# KiCad board mackerel-10-v1.kicad_pcb (continued)
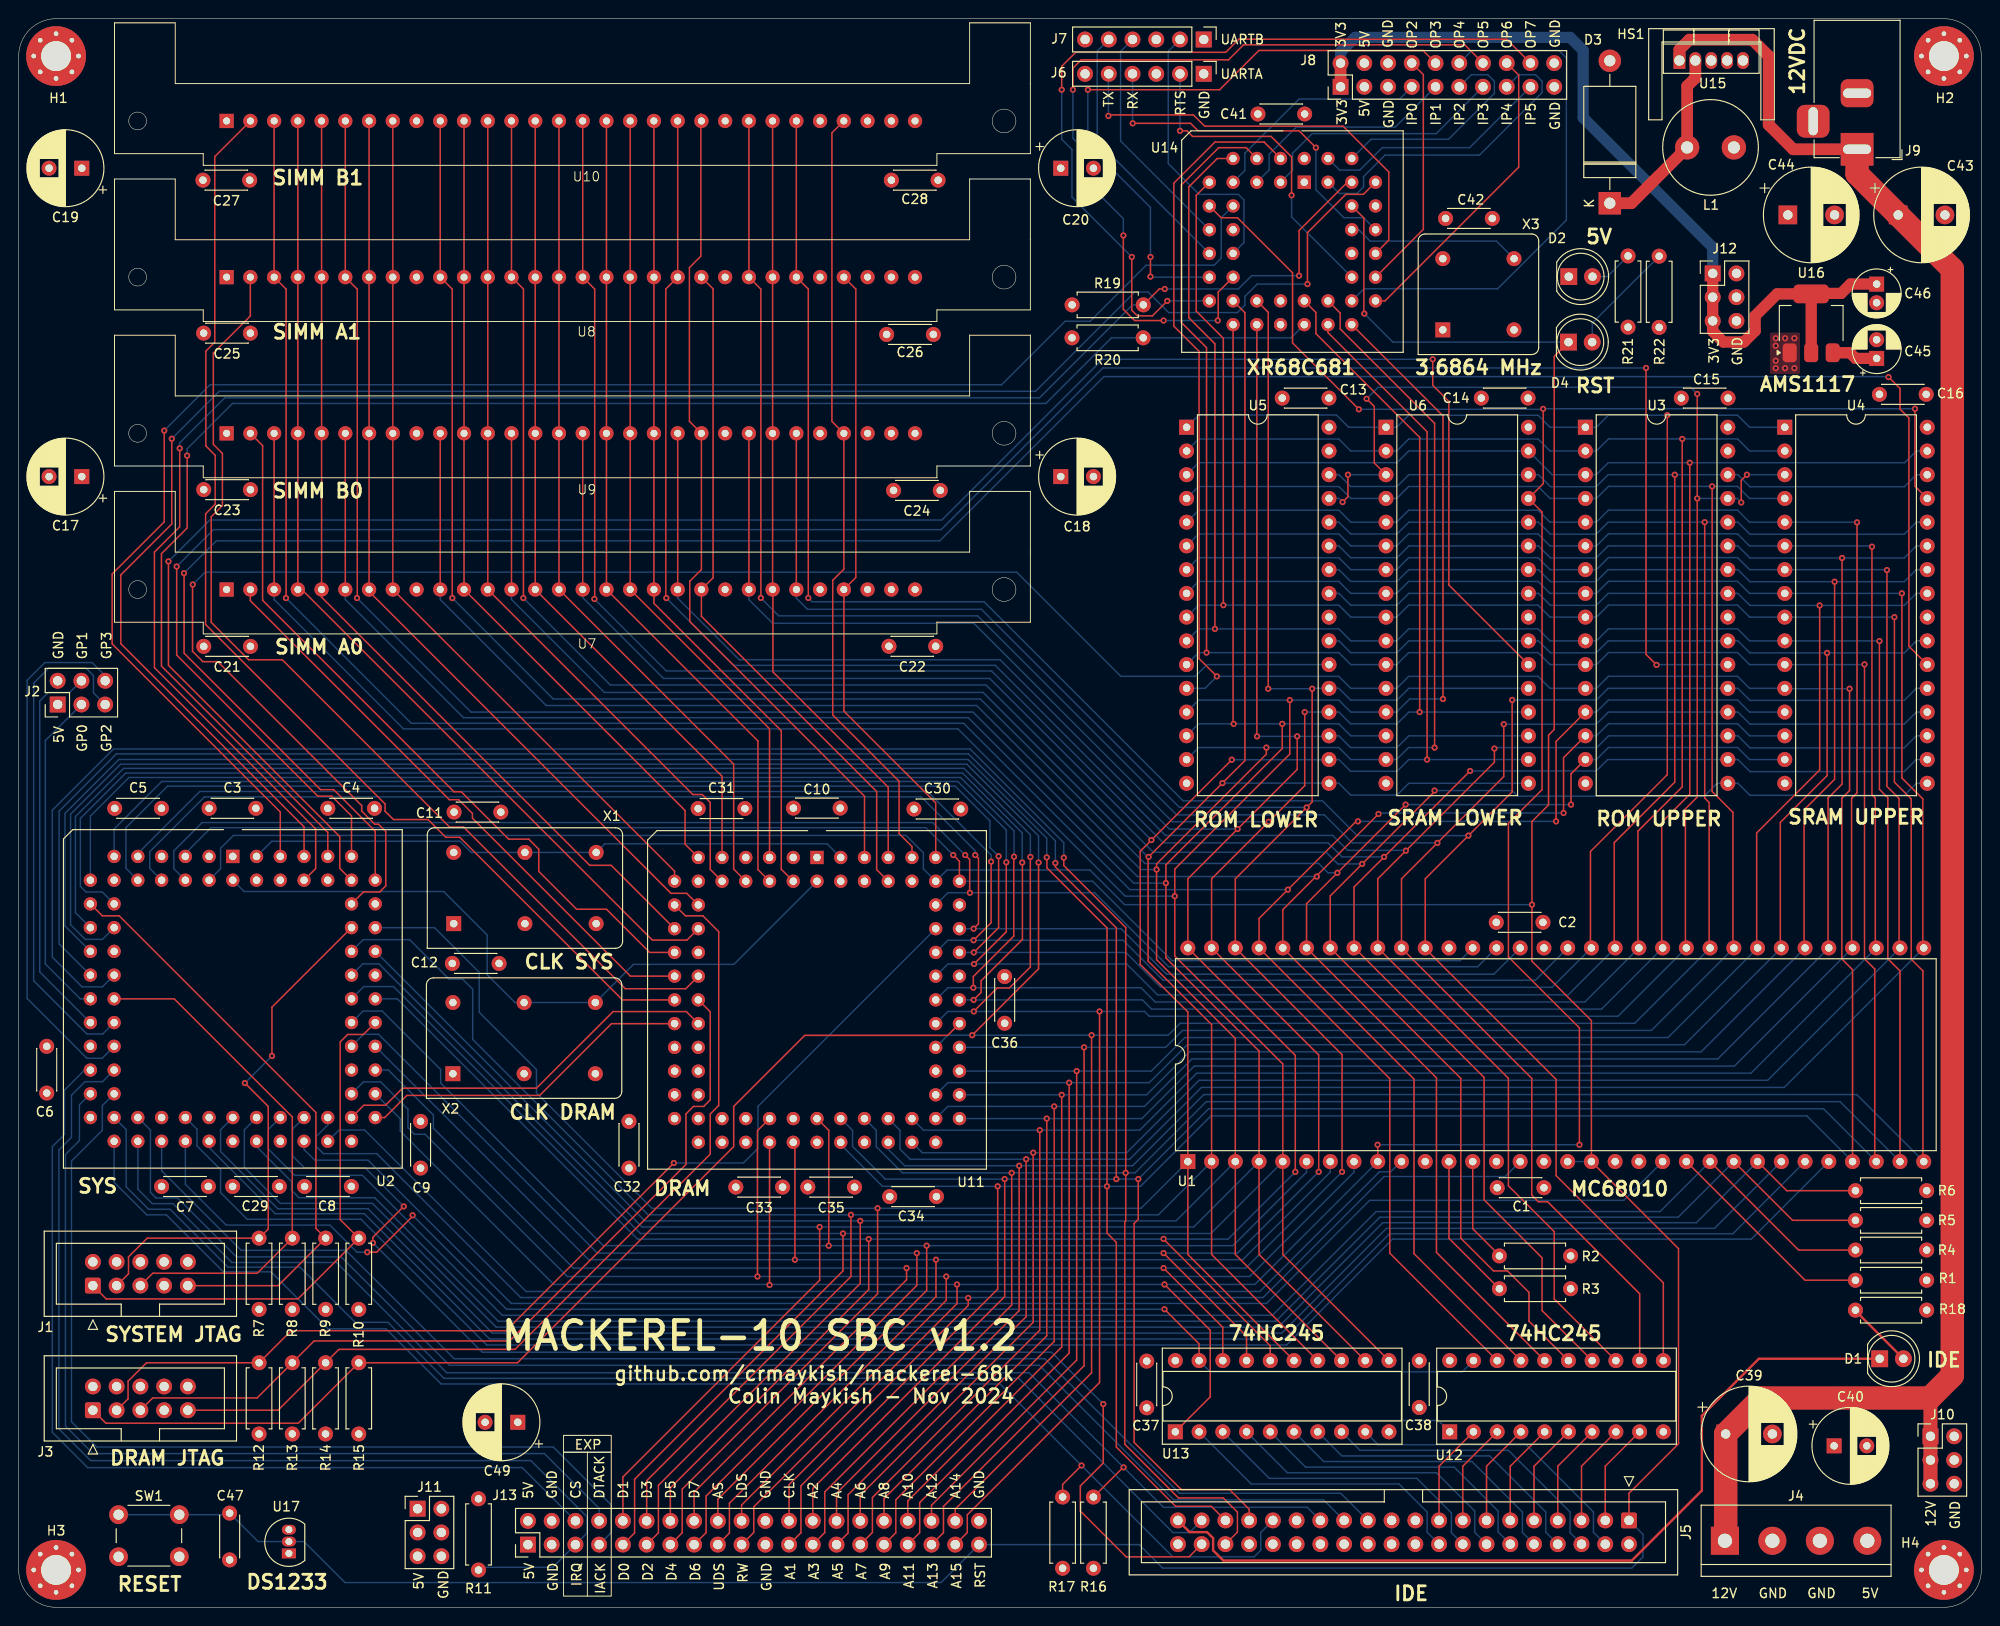
[diagram p0: board, top side]
## Footprints (pads in the part's own frame, mm; a bottom-side part is the same pattern mirrored in y, then rotated) (continued)
SOT-223-3_TabPin2
  rrect 2x1.5 smd: 1(-3.15,2.3) 2(-3.15,0) 3(-3.15,-2.3)
  rrect 2x3.8 smd: 2(3.15,0)
SW_PUSH_6mm_H5mm
  round 2 hole 1.1: 1(0,0) 1(6.5,0) 2(0,-4.5) 2(6.5,-4.5)
TerminalBlock_bornier-4_P5.08mm
  rect 3x3 hole 1.52: 1(0,0)
  round 3 hole 1.52: 2(5.08,0) 3(10.16,0) 4(15.24,0)
TO-92L_Inline
  rect 1.05x1.5 hole 0.75: 1(0,0)
  oval 1.05x1.5 hole 0.75: 2(1.27,0) 3(2.54,0)
TO-220-5_Vertical
  rect 1.275x1.8 hole 1.1: 1(0,0)
  oval 1.275x1.8 hole 1.1: 2(1.7,0) 3(3.4,0) 4(5.1,0) 5(6.8,0)

## Nets
+3.3V: C46.1 J8.1 J8.2 J12.1 J12.3 J12.5 U16.2
+5V: C1.1 C2.1 C3.1 C4.1 C5.1 C6.1 C7.2 C8.2 C9.2 C10.2 C11.2 C12.2 C13.1 C14.1 C15.1 C16.1 C17.1 C18.1 C19.1 C20.1 C21.1 C22.1 C23.1 C24.1 C25.2 C26.2 C27.2 C28.2 C29.1 C30.1 C31.1 C32.1 C33.2 C34.2 C35.2 C36.2 C37.1 C38.1 C40.1 C41.1 C42.1 C44.1 C45.1 C49.1 J1.4 J2.1 J3.4 J4.4 J8.3 J8.4 J11.1 J11.3 J11.5 J13.1 J13.2 L1.2 R1.1 R2.1 R3.1 R4.1 R5.1 R6.1 R7.1 R8.1 R9.1 R11.2 R12.1 R13.1 R14.1 R18.1 R19.2 R20.2 R21.1 R22.1 U1.14 U1.49 U2.3 U2.13 U2.26 U2.38 U2.43 U2.53 U2.66 U2.78 U3.31 U3.32 U4.32 U5.31 U5.32 U6.32 U7.1 U7.30 U8.1 U8.30 U9.1 U9.30 U10.1 U10.30 U11.3 U11.13 U11.26 U11.38 U11.43 U11.53 U11.66 U11.78 U12.20 U13.20 U14.44 U15.4 U16.3 U17.3 X1.14 X2.14 X3.8
+12V: C39.1 C43.1 J4.1 J9.1 J10.1 J10.3 J10.5 U15.1
GND: C1.2 C2.2 C3.2 C4.2 C5.2 C6.2 C7.1 C8.1 C9.1 C10.1 C11.1 C12.1 C13.2 C14.2 C15.2 C16.2 C17.2 C18.2 C19.2 C20.2 C21.2 C22.2 C23.2 C24.2 C25.1 C26.1 C27.1 C28.1 C29.2 C30.2 C31.2 C32.2 C33.1 C34.1 C35.1 C36.1 C37.2 C38.2 C39.2 C40.2 C41.2 C42.2 C43.2 C44.2 C45.2 C46.2 C47.2 C49.2 D2.1 D3.2 H1.1 H2.1 H3.1 H4.1 J1.2 J1.10 J2.2 J3.2 J3.10 J4.2 J4.3 J5.2 J5.19 J5.22 J5.24 J5.26 J5.30 J5.40 J6.1 J7.1 J8.5 J8.6 J8.19 J8.20 J9.2 J10.2 J10.4 J10.6 J11.2 J11.4 J11.6 J12.2 J12.4 J12.6 J13.3 J13.4 J13.21 J13.22 J13.40 R10.2 R15.2 R16.1 R17.1 SW1.2 U1.16 U1.53 U2.1 U2.7 U2.19 U2.32 U2.42 U2.47 U2.59 U2.72 U2.82 U2.84 U3.16 U3.24 U4.16 U4.24 U5.16 U5.24 U6.16 U6.24 U7.9 U7.22 U8.9 U8.22 U9.9 U9.22 U10.9 U10.22 U11.1 U11.7 U11.19 U11.32 U11.42 U11.47 U11.59 U11.72 U11.82 U11.84 U12.10 U13.10 U14.22 U15.3 U15.5 U16.1 U17.1 X1.7 X2.7 X3.4
/AS: J13.18 U1.6 U2.63 U11.44
/CS_DRAM: U2.54 U11.24
/DTACK: U1.10 U2.51
/DTACK_DRAM: U2.55 U11.25
/DTACK_DUART: U2.81 U14.10
/DTACK_EXP: J13.8 U2.30
/DUART: U2.79 U14.39
/EXP: J13.6 U2.28
/IACK_DUART: R19.1 U2.80 U14.41
/IACK_EXP: J13.7 U2.31
/IDE_BUF: U2.39 U12.19 U13.19
/IDE_CS0: J5.37 U2.34
/IDE_CS1: J5.38 U2.50
/IDE_RD: J5.25 U2.36
/IDE_WR: J5.23 U2.37
/IPL0: R6.2 U1.25 U2.46
/IPL1: R5.2 U1.24 U2.45
/IPL2: R4.2 U1.23 U2.48
/IRQ_DUART: R20.1 U2.77 U14.24
/IRQ_EXP: J13.5 R11.1 U2.29
/LDS: J13.20 U1.8 U2.57 U11.40
/RESET: C47.1 D4.1 J5.1 J13.39 SW1.1 U1.17 U1.18 U2.4 U11.76 U14.38 U17.2
/ROM_LOWER: U2.73 U5.22
/ROM_UPPER: U2.75 U3.22
/RTSA: J6.2 U14.32
/RTSB: J7.2 U14.14
/SRAM_LOWER: U2.76 U6.22
/SRAM_UPPER: U2.74 U4.22
/UDS: J13.17 U1.7 U2.60 U11.41
/VPA: U1.21 U2.49
A1: J5.35 J13.23 U1.29 U2.18 U3.12 U4.12 U5.12 U6.12 U11.45 U14.2
A2: J5.33 J13.26 U1.30 U2.20 U3.11 U4.11 U5.11 U6.11 U11.46 U14.4
A3: J5.36 J13.25 U1.31 U2.21 U3.10 U4.10 U5.10 U6.10 U11.48 U14.6
A4: J13.28 U1.32 U3.9 U4.9 U5.9 U6.9 U11.49 U14.7
A5: J13.27 U1.33 U3.8 U4.8 U5.8 U6.8 U11.50
A6: J13.30 U1.34 U3.7 U4.7 U5.7 U6.7 U11.51
A7: J13.29 U1.35 U3.6 U4.6 U5.6 U6.6 U11.52
A8: J13.32 U1.36 U3.5 U4.5 U5.5 U6.5 U11.54
A9: J13.31 U1.37 U3.27 U4.27 U5.27 U6.27 U11.55
A10: J13.34 U1.38 U3.26 U4.26 U5.26 U6.26 U11.56
A11: J13.33 U1.39 U3.23 U4.23 U5.23 U6.23 U11.57
A12: J13.36 U1.40 U3.25 U4.25 U5.25 U6.25 U11.58
A13: J13.35 U1.41 U3.4 U4.4 U5.4 U6.4 U11.60
A14: J13.38 U1.42 U2.17 U3.28 U4.28 U5.28 U6.28 U11.61
A15: J13.37 U1.43 U2.16 U3.29 U4.3 U5.29 U6.3 U11.63
A16: U1.44 U2.15 U3.3 U4.31 U5.3 U6.31 U11.64
A17: U1.45 U2.12 U3.2 U4.2 U5.2 U6.2 U11.65
A18: U1.46 U2.11 U3.30 U4.30 U5.30 U6.30 U11.67
A19: U1.47 U2.10 U3.1 U4.1 U5.1 U6.1 U11.68
A20: U1.48 U2.9 U11.69
A21: U1.50 U2.8 U11.70
A22: U1.51 U2.6 U11.73
A23: U1.52 U2.5 U11.74
CASA0: U7.2 U11.20
CASA1: U8.2 U11.21
CASB0: U9.2 U11.18
CASB1: U10.2 U11.22
CLK_ALT: U2.2 U11.2 X2.8
CLK_CPU: J13.24 U1.15 U2.52
CLK_SRC: U2.83 U11.83 X1.8
D0: J13.9 U1.5 U2.65 U5.13 U6.13 U7.3 U9.3 U13.11 U14.28
D1: J13.10 U1.4 U2.67 U5.14 U6.14 U7.6 U9.6 U13.12 U14.18
D2: J13.11 U1.3 U2.68 U5.15 U6.15 U7.10 U9.10 U13.13 U14.27
D3: J13.12 U1.2 U2.69 U5.17 U6.17 U7.13 U9.13 U13.14 U14.19
D4: J13.13 U1.1 U2.70 U5.18 U6.18 U7.16 U9.16 U13.15 U14.26
D5: J13.14 U1.64 U2.64 U5.19 U6.19 U7.20 U9.20 U13.16 U14.20
D6: J13.15 U1.63 U2.61 U5.20 U6.20 U7.23 U9.23 U13.17 U14.25
D7: J13.16 U1.62 U2.58 U5.21 U6.21 U7.25 U9.25 U13.18 U14.21
D8: U1.61 U3.13 U4.13 U8.3 U10.3 U12.18
D9: U1.60 U3.14 U4.14 U8.6 U10.6 U12.17
D10: U1.59 U3.15 U4.15 U8.10 U10.10 U12.16
D11: U1.58 U3.17 U4.17 U8.13 U10.13 U12.15
D12: U1.57 U3.18 U4.18 U8.16 U10.16 U12.14
D13: U1.56 U3.19 U4.19 U8.20 U10.20 U12.13
D14: U1.55 U3.20 U4.20 U8.23 U10.23 U12.12
D15: U1.54 U3.21 U4.21 U8.25 U10.25 U12.11
FC0: U1.28 U2.40
FC1: U1.27 U2.41
FC2: U1.26 U2.44
GP0: J2.3 U2.22
GP1: J2.4 U2.24
GP2: J2.5 U2.25
GP3: J2.6 U2.27
IDE_D0: J5.17 U12.2
IDE_D1: J5.15 U12.3
IDE_D2: J5.13 U12.4
IDE_D3: J5.11 U12.5
IDE_D4: J5.9 U12.6
IDE_D5: J5.7 U12.7
IDE_D6: J5.5 U12.8
IDE_D7: J5.3 U12.9
IDE_D8: J5.4 U13.9
IDE_D9: J5.6 U13.8
IDE_D10: J5.8 U13.7
IDE_D11: J5.10 U13.6
IDE_D12: J5.12 U13.5
IDE_D13: J5.14 U13.4
IDE_D14: J5.16 U13.3
IDE_D15: J5.18 U13.2
IDE_INT: J5.31 R17.2 U2.33
IDE_RDY: J5.27 R16.2 U2.35
IP0: J8.7 U14.8
IP1: J8.9 U14.5
IP2: J8.11 U14.40
IP3: J8.13 U14.3
IP4: J8.15 U14.43
IP5: J8.17 U14.42
OP2: J8.8 U14.31
OP3: J8.10 U14.15
OP4: J8.12 U14.30
OP5: J8.14 U14.16
OP6: J8.16 U14.29
OP7: J8.18 U14.17
R/W: J13.19 U1.9 U2.56 U4.29 U6.29 U11.39 U12.1 U13.1 U14.9
RAM_A0: U7.4 U8.4 U9.4 U10.4 U11.17
RAM_A1: U7.5 U8.5 U9.5 U10.5 U11.16
RAM_A2: U7.7 U8.7 U9.7 U10.7 U11.15
RAM_A3: U7.8 U8.8 U9.8 U10.8 U11.12
RAM_A4: U7.11 U8.11 U9.11 U10.11 U11.11
RAM_A5: U7.12 U8.12 U9.12 U10.12 U11.10
RAM_A6: U7.14 U8.14 U9.14 U10.14 U11.9
RAM_A7: U7.15 U8.15 U9.15 U10.15 U11.8
RAM_A8: U7.17 U8.17 U9.17 U10.17 U11.6
RAM_A9: U7.18 U8.18 U9.18 U10.18 U11.5
RAM_A10: U7.19 U8.19 U9.19 U10.19 U11.4
RAM_A11: U7.24 U8.24 U9.24 U10.24 U11.79
RAMWRA: U7.21 U8.21 U11.80
RAMWRB: U9.21 U10.21 U11.81
RASA: U7.27 U8.27 U11.75
RASB: U9.27 U10.27 U11.77
RXA: J6.4 U14.35
RXB: J7.4 U14.11
TCK: J1.1 R10.1 U2.62
TCK_DRAM: J3.1 R15.1 U11.62
TDI: J1.9 R9.2 U2.14
TDI_DRAM: J3.9 R14.2 U11.14
TDO: J1.3 R7.2 U2.71
TDO_DRAM: J3.3 R12.2 U11.71
TMS: J1.5 R8.2 U2.23
TMS_DRAM: J3.5 R13.2 U11.23
TXA: J6.5 U14.33
TXB: J7.5 U14.13
Net-(D1-A): D1.2 R18.2
Net-(D1-K): D1.1 J5.39
Net-(D2-A): D2.2 R21.2
Net-(D3-K): D3.1 L1.1 U15.2
Net-(D4-A): D4.2 R22.2
Net-(U1-BERR): R1.2 U1.22
Net-(U1-BGACK): R3.2 U1.12
Net-(U1-BR): R2.2 U1.13
Net-(U14-X1/CLK): U14.36 X3.5

Pads without a net: J1 6 7 8; J3 6 7 8; J5 20 21 28 29 32 34; J6 3 6; J7 3 6; J9 3; U1 11 19 20; U7 26 28 29; U8 26 28 29; U9 26 28 29; U10 26 28 29; U11 27 28 29 30 31 33 34 35 36 37; U14 1 12 23 34 37; X1 1; X2 1; X3 1

## Via types
v1: diameter 0.66, hole 0.33, Top to Bottom, 200 vias

## Routing (per net, layer and track width the routed paths; a pad name or vN(x,y) marks a point on that pad's centre or on a via; arc(x,y) is an arc through that point)
+3.3V: length 94.5
  Top w1.2: U16.2 188.15,140.55 185.8,138.2 185.8,136.6 184.6,135.4 182.4,135.4 181.26,136.54 J12.5 J12.1 ; U16.2 U16.2 ; U16.2 191.85,140.6 195,140.6 196,141.6 C46.1
  Top w1.25: J8.1 J8.2
  Bottom w1.2: J12.1 181.26,145.54 167.4,159.4 167.4,166.6 166,168 143,168 141.44,166.44 J8.2
+5V: length 10.6
  Top w1.2: C45.1 196.56,133.64 195.95,134.25 U16.3
  In2.Cu w0.152: 163.2,73.2 C2.1 ; 158.12,44.98 C1.1
  In2.Cu w0.5: U1.14 158.12,44.98 ; U1.49 163.2,73.2
+12V: length 212.7
  Top w1.25: J9.1 189.88,156.03 187.25,158.65 187.25,166 185.5,167.75 178.75,167.75 177.7,166.7 U15.1
  Top w1.5: 204.5,22.4 204.56,22.34 J10.5
  Top w2.5: J9.1 196.71,153.39 201.1,149 C43.1 206.9,143.21 206.9,24.8 204.5,22.4 186.5,22.4 C39.1 182.65,7.2 J4.1
GND: length 13.8
  In1.Cu w0.152: U2.1 22.91,80.34
  In1.Cu w0.5: U2.1 U2.84 ; 22.91,80.34 21.52,78.95 ; U1.16 C1.2 ; U11.84 U11.1 85.42,80.22 84.15,78.95
  vias: v1(188,135.8) v1(188,135) v1(188,133.4) v1(188,132.6) v1(189,135.8) v1(189,132.6) v1(190,135.8) v1(190,132.6)
/AS: length 171.2
  Top w0.152: J13.18 74.81,11.56 97.15,33.9 v1(97.15,38.7) ; v1(86.67,38.7) 86.67,51.04 U11.44
  Bottom w0.152: U2.63 36.84,63.8 38.9,63.8 45.15,57.55 45.15,56.1 62.55,38.7 v1(86.67,38.7) v1(97.15,38.7) 129.93,38.7 137.8,46.57 U1.6
/CS_DRAM: length 36.2
  Top w0.152: U2.54 39.16,52.41 41.52,54.78 55.75,54.78 63.44,62.46 U11.24
/DTACK: length 128.3
  Bottom w0.152: U1.10 147.9,47.7 146.8,46.6 145.6,46.6 132.8,33.8 54.28,33.8 37.01,51.07 34.27,51.07 U2.51
/DTACK_DRAM: length 42.3
  Top w0.152: U11.25 71.43,63.75 63.6,63.75 55.4,55.55 41.08,55.55 39.25,53.72 36.92,53.72 U2.55
/DTACK_DUART: length 182.2
  Top w0.152: U2.81 27.99,85.11 10,103.1 10,110.58 15.58,116.15 v1(15.58,125.92)
  Bottom w0.152: v1(15.58,125.92) 20.48,130.82 105.17,130.82 111.97,137.62 114.65,137.62 120.65,143.62 127.93,143.62 128.68,144.38 128.68,148.69 U14.10
/DTACK_EXP: length 98.8
  Bottom w0.152: U2.30 6.5,53.78 6.5,49.95 5,48.45 5,19.4 7.95,16.45 56.25,16.45 62.11,10.59 J13.8
/DUART: length 200.8
  Top w0.152: U2.79 30.53,83.52 10.93,103.12 10.93,110.47 16.38,115.92 v1(16.38,125.05) ; v1(137.9,141.6) 137.9,147.1 142,151.2 143.88,151.2 U14.39
  Bottom w0.152: v1(16.38,125.05) 21.45,130.12 108.8,130.12 119.43,140.75 120.85,140.75 123.05,138.55 130.4,138.55 131.2,139.35 131.2,140.28 132.53,141.6 v1(137.9,141.6)
/EXP: length 100.7
  Bottom w0.152: J13.6 53.87,14.95 7.38,14.95 3.6,18.72 3.6,49.3 4.9,50.6 4.9,55.35 7.04,57.49 U2.28
/IACK_DUART: length 195.4
  Top w0.152: v1(17.23,124.03) 17.23,115.62 14.52,112.92 14.52,100.55 31.77,83.3 31.77,79.06 U2.80 ; v1(137,142.5) 137,147.33 142.17,152.5 U14.41 ; v1(122.62,141.07) 122.03,141.07 R19.1
  Bottom w0.152: v1(17.23,124.03) 17.23,124.6 22.05,129.43 109.22,129.43 119.18,139.38 R19.1 ; v1(122.62,141.07) 130.5,141.07 131.93,142.5 v1(137,142.5)
/IACK_EXP: length 103.2
  Bottom w0.152: U2.31 8.95,53.69 8.95,51.05 5.65,47.75 5.65,19.85 8.35,17.15 57.2,17.15 63.4,10.95 63.4,8 J13.7
/IDE_BUF: length 155.6
  Top w0.152: v1(42.15,41.95) 42.15,41.85 38.3,38 v1(37.3,38) ; v1(122.6,31.9) 126.3,28.2 U13.19
  Bottom w0.152: U2.39 17.83,45.27 22.2,40.9 33.3,40.9 36.2,38 v1(37.3,38) ; v1(42.15,41.95) 52.2,31.9 v1(122.6,31.9) ; U12.19 154.46,25.2 127.5,25.2 U13.19
/IDE_CS0: length 138.9
  Bottom w0.152: U2.34 11.5,51.12 11.5,45 13.9,42.6 16.2,42.6 22.4,36.4 30.1,36.4 36,30.5 39.5,30.5 45.5,24.5 107,24.5 123.5,8 125.28,8 J5.37
/IDE_CS1: length 137.4
  Top w0.152: v1(41.2,42.9) 37.9,39.6 v1(37.9,39) ; J5.38 125.22,5.4 118.5,5.4 113.6,10.3 113.6,13 116.05,15.45 v1(116.05,21.75)
  Bottom w0.152: v1(116.05,21.75) 110.5,27.3 49.6,27.3 v1(37.9,39) ; v1(41.2,42.9) 37.1,47 30.6,47 29.3,48.3 29.3,51.18 U2.50
/IDE_RD: length 150.8
  Bottom w0.152: U2.36 14.1,51.06 14.1,44.4 14.7,43.8 17,43.8 23.3,37.5 34.5,37.5 46.1,25.9 109.2,25.9 123.6,11.5 139.62,11.5 J5.25
/IDE_WR: length 147.7
  Bottom w0.152: J5.23 141.46,12.2 124.2,12.2 109.8,26.6 46.6,26.6 35,38.2 23.8,38.2 15.29,46.71 U2.37
/IPL0: length 194
  Top w0.152: R6.2 189.18,44.59 U1.25
  Bottom w0.152: U1.25 179.51,41.15 145.95,41.15 134.78,29.98 51.09,29.98 37.85,43.22 28,43.22 24.15,47.07 24.15,51.11 U2.46
/IPL1: length 189.6
  Top w0.152: R5.2 189.81,41.41 U1.24
  Bottom w0.152: U2.45 25.45,49.3 29.2,45.55 29.2,44.62 30,43.82 38.1,43.82 51.31,30.62 134.51,30.62 145.65,41.75 177.57,41.75 U1.24
/IPL2: length 191.8
  Top w0.152: R4.2 190.44,38.24 U1.23
  Bottom w0.152: U2.48 26.7,51.12 26.7,49.05 29.52,46.23 36.77,46.23 51.75,31.25 134.15,31.25 145.25,42.35 175.63,42.35 U1.23
/IRQ_DUART: length 177.2
  Top w0.152: U2.77 33.07,82.93 15.27,100.72 15.27,112.75 18.02,115.5 v1(18.02,123.25)
  Bottom w0.152: v1(18.02,123.25) 18.02,123.97 22.88,128.82 109.9,128.82 116.93,135.85 R20.1 136.15,135.85 U14.24
/IRQ_EXP: length 117.7
  Bottom w0.152: 48.7,4.28 57.14,4.28 J13.5 60.8,7.94 60.8,9.7 54.8,15.7 7.7,15.7 4.3,19.1 4.3,48.95 5.65,50.3 5.65,54.8 7.1,56.25 8.97,56.25 U2.29
/LDS: length 176
  Top w0.152: J13.20 77.35,10.95 99.25,32.85 v1(99.25,35.4) ; U11.40 79.05,51.01 v1(79.05,35.4)
  Bottom w0.152: U1.8 142.88,46.57 131.71,35.4 v1(99.25,35.4) v1(79.05,35.4) 58.7,35.4 43.48,50.62 42.35,50.62 41.65,51.32 41.65,53.3 38.73,56.22 36.88,56.22 U2.57
/RESET: length 498
  Top w0.152: J5.1 172.3,12.2 177.6,17.5 177.6,38.38 U1.18 168.28,62.78 161.91,69.15 v1(161.91,75.19) 161.91,84.08 163.69,85.86 163.69,93.33 164.3,93.94 164.3,133.87 D4.1 ; U14.38 143.93,148.67 143.93,138.49 v1(143.98,138.44)
  Bottom w0.152: v1(143.98,138.44) 147.03,135.39 D4.1 ; SW1.1 22.41,9.91 C47.1 25.61,7.04 U17.2 30.53,7.04 34.91,2.65 98.69,2.65 J13.39 119.89,6.71 122.4,4.2 172.6,4.2 173.8,5.4 173.8,7.8 J5.1 ; U1.17 U1.18 ; U2.4 21.6,79.04 21.6,81.22 22.98,82.6 94.95,82.6 96.8,80.75 96.8,79.02 U11.76 99.32,78.9 114.62,78.9 118.33,75.19 v1(161.91,75.19)
/ROM_LOWER: length 173.7
  Top w0.152: v1(18.62,109.45) 18.6,109.42 18.6,102.3 19.7,101.2 21.3,101.2 36.7,85.8 36.7,85.2 38.1,83.8 38.5,83.8 39.27,83.03 39.27,77.2 38.62,76.55 36.89,76.55 U2.73
  Bottom w0.152: U5.22 127.16,100.88 125.9,99.62 117.93,99.62 106.78,110.77 19.95,110.77 v1(18.62,109.45)
/ROM_UPPER: length 245.6
  Top w0.152: v1(174.12,132.62) 174.12,101.97 v1(175.25,100.85) ; U2.75 35.61,84.69 33.5,86.8 32,86.8 16.9,101.9 v1(16.9,111.38)
  Bottom w0.152: v1(16.9,111.38) 20.85,115.33 98.7,115.33 116,132.62 v1(174.12,132.62) ; U3.22 175.28,100.88 v1(175.25,100.85)
/RTSA: length 34.7
  Top w0.152: v1(124.26,158) 125,158 125.6,157.4 134.01,157.4 136.2,155.21 v1(136.2,151.1)
  Bottom w0.152: U14.32 136.2,148.78 v1(136.2,151.1) ; v1(124.26,158) J6.2
/RTSB: length 29.7
  Bottom w0.152: U14.14 131.1,146.04 131.1,150.6 130.5,151.2 126.3,151.2 123,154.5 123,166.51 J7.2
/SRAM_LOWER: length 223.4
  Top w0.152: U6.22 153.03,109.4 153.03,129.05 151.3,130.78 v1(151.3,133.55) ; v1(16.02,111.92) 16.02,100.8 34.35,82.47 34.35,79.07 U2.76
  Bottom w0.152: v1(16.02,111.92) 20.45,116.35 98.77,116.35 115.97,133.55 v1(151.3,133.55)
/SRAM_UPPER: length 265.8
  Top w0.152: v1(200.07,131.65) 201.3,130.43 201.3,128.22 202.25,127.28 202.25,102.84 204.21,100.88 ; U2.74 38.15,83.05 33.7,87.5 32.3,87.5 17.7,102.1 17.7,110.65 v1(17.69,110.66)
  Bottom w0.152: v1(17.69,110.66) 21.15,114.12 98.55,114.12 116.12,131.7 200.03,131.7 v1(200.07,131.65)
/UDS: length 169.4
  Top w0.152: U11.41 83.05,49.59 v1(83.05,37.2) ; J13.17 76.05,7.95 76.05,11.15 98.15,33.25 v1(98.15,37.2)
  Bottom w0.152: U2.60 60.98,37.2 v1(83.05,37.2) v1(98.15,37.2) 130.97,37.2 140.34,46.57 U1.7
/VPA: length 159.4
  Bottom w0.152: U1.21 171.75,43.55 144.55,43.55 133.52,32.52 52.7,32.52 37.38,47.85 31.67,47.85 30.53,48.99 U2.49
A1: length 567.3
  Top w0.152: v1(110,80.25) 110.03,80.22 110.03,79.12 116.45,72.7 v1(116.45,45.05) 116.45,40.05 117.45,39.05 117.45,17.15 123.8,10.8 127.62,10.8 J5.35 ; v1(128.2,99.62) 126.3,101.52 126.3,134.4 123.6,137.1 123.6,152.4 128,156.8 133.26,156.8 U14.2 ; J13.23 83.7,7.98 83.7,13 104.75,34.05 v1(104.75,45.05) ; v1(195.9,98.3) 195.9,87.4 195.08,86.58 195.08,69.37 196.22,68.23 U1.29
  Bottom w0.152: U5.12 126.94,98.34 128.2,99.6 v1(128.2,99.62) 141.25,99.62 142.53,98.34 U6.12 147.44,98.34 148.72,99.62 162.57,99.62 163.85,98.34 U3.12 168.81,98.34 170.1,99.63 183.91,99.63 185.21,98.34 U4.12 189.01,98.3 v1(195.9,98.3) ; U11.45 87.96,49.51 92.42,45.05 v1(104.75,45.05) v1(116.45,45.05) 120.04,45.05 127.57,52.59 191.33,52.59 U1.29 ; U2.18 4.95,72.91 4.95,84.95 10.73,90.72 101.58,90.72 110,82.3 v1(110,80.25)
A2: length 571.5
  Top w0.152: v1(117.45,45.82) 117.45,72.7 110.93,79.22 v1(110.93,79.65) ; U14.4 131.32,156.2 128.4,156.2 124.4,152.2 124.4,137.5 127.1,134.8 v1(127.1,102.16) ; v1(105.5,45.82) 105.5,33.25 84.97,12.72 J13.26 ; v1(119.8,45.82) 119.8,41.52 119.35,41.07 119.35,17.65 124.4,12.6 129.56,12.6 131.66,10.5 J5.33 ; v1(197.5,100.9) 197.5,69.4 198.6,68.3 198.6,47.86 U1.30
  Bottom w0.152: U2.20 4.32,71 4.32,85.2 10.45,91.33 101.62,91.33 110.93,82.03 v1(110.93,79.65) ; U5.11 126.25,102.16 v1(127.1,102.16) 141.25,102.16 142.53,100.88 U6.11 147.44,100.88 148.72,102.16 162.57,102.16 163.85,100.88 U3.11 168.81,100.88 170.1,102.17 183.91,102.17 185.21,100.88 U4.11 197.48,100.88 v1(197.5,100.9) ; U11.46 89.22,51.04 89.22,49.33 92.72,45.82 v1(105.5,45.82) v1(117.45,45.82) v1(119.8,45.82) 127.32,53.35 193.11,53.35 U1.30
A3: length 582.5
  Top w0.152: v1(199.1,103.4) 199.1,87.53 200,86.62 200,69.4 201.3,68.1 U1.31 ; J13.25 86.25,7.99 86.25,12.35 106.25,32.35 v1(106.25,46.49) ; J5.36 130.4,8.04 130.4,10.2 128.9,11.7 124.1,11.7 118.35,17.45 118.35,41.27 118.45,41.37 v1(118.45,46.49) 118.45,72.75 111.82,79.38 v1(111.82,80.22) ; U14.6 128.24,155.04 125.2,152 125.2,138 128,135.2 v1(128,104.7)
  Bottom w0.152: v1(199.1,103.4) 199.08,103.42 U4.10 185.21,103.42 183.91,104.71 170.1,104.71 168.81,103.42 U3.10 163.85,103.42 162.57,104.7 148.72,104.7 147.44,103.42 U6.10 142.53,103.42 141.25,104.7 v1(128,104.7) 126.25,104.7 U5.10 ; U11.48 91.76,51.04 91.76,49.29 94.56,46.49 v1(106.25,46.49) v1(118.45,46.49) 119.45,46.49 127.07,54.11 194.89,54.11 U1.31 ; U2.21 8.96,66.4 6.77,66.4 3.6,69.58 3.6,85.3 10.15,91.85 101.8,91.85 111.82,81.83 v1(111.82,80.22)
A4: length 350
  Top w0.152: v1(107.05,47.25) 107.05,31.75 87.51,12.21 J13.28 ; v1(128.9,107.24) 128.9,135.8 126,138.7 126,151.1 U14.7 ; v1(200.7,105.96) 200.7,88.3 202.5,86.5 202.5,69.35 203.75,68.1 203.75,47.79 U1.32
  Bottom w0.152: U5.9 126.25,107.24 v1(128.9,107.24) 141.25,107.24 142.53,105.96 U6.9 147.44,105.96 148.72,107.24 162.57,107.24 163.85,105.96 U3.9 168.81,105.96 170.1,107.25 183.91,107.25 185.21,105.96 U4.9 v1(200.7,105.96) ; U11.49 93.04,49.01 94.8,47.25 v1(107.05,47.25) 119.19,47.25 126.81,54.87 196.67,54.87 U1.32
A5: length 291.4
  Top w0.152: v1(107.8,47.95) 107.8,31.1 88.75,12.05 88.75,7.95 J13.27 ; v1(201.5,108.5) 201.5,88.75 203.74,86.51 203.74,70.66 U1.33
  Bottom w0.152: U1.33 188.91,55.63 126.56,55.63 118.87,47.95 v1(107.8,47.95) 95.38,47.95 94.3,49.03 94.3,51.04 U11.50 ; U5.8 126.25,109.78 141.25,109.78 142.53,108.5 U6.8 147.44,108.5 148.72,109.78 162.57,109.78 163.85,108.5 U3.8 168.81,108.5 170.1,109.79 183.91,109.79 185.21,108.5 U4.8 v1(201.5,108.5)
A6: length 281.5
  Top w0.152: v1(199.9,111) 199.9,87.85 201.2,86.55 201.2,70.66 U1.34 ; v1(108.55,48.65) 108.55,30.5 90.05,12 J13.30
  Bottom w0.152: U11.51 96.69,48.65 v1(108.55,48.65) 118.56,48.65 126.3,56.4 187.14,56.4 U1.34 ; v1(199.9,111) 199.86,111.04 U4.7 185.21,111.04 183.91,112.33 170.1,112.33 168.81,111.04 U3.7 163.85,111.04 162.57,112.32 148.72,112.32 147.44,111.04 U6.7 142.53,111.04 141.25,112.32 126.25,112.32 U5.7
A7: length 283.8
  Top w0.152: v1(109.25,51.06) 109.25,29.65 91.35,11.75 91.35,8.01 J13.29 ; U1.35 198.66,70.66 198.66,86.59 198.3,86.95 v1(198.3,113.5)
  Bottom w0.152: U11.52 96.82,51.06 v1(109.25,51.06) 119.95,51.06 126.05,57.16 185.36,57.16 U1.35 ; U5.6 126.25,114.86 141.25,114.86 142.53,113.58 U6.6 147.44,113.58 148.72,114.86 162.57,114.86 163.85,113.58 U3.6 168.81,113.58 170.1,114.87 183.91,114.87 185.21,113.58 U4.6 198.22,113.58 v1(198.3,113.5)
A8: length 274.1
  Top w0.152: v1(110,52.3) 110,29.05 92.59,11.64 J13.32 ; U1.36 196.12,70.66 196.12,86.57 196.7,87.15 v1(196.7,116.1)
  Bottom w0.152: U11.54 v1(110,52.3) 120.18,52.3 125.8,57.92 183.58,57.92 U1.36 ; U5.5 126.25,117.4 141.25,117.4 142.53,116.12 U6.5 147.44,116.12 148.72,117.4 162.57,117.4 163.85,116.12 U3.5 168.81,116.12 170.1,117.41 183.91,117.41 185.21,116.12 U4.5 196.68,116.12 v1(196.7,116.1)
A9: length 267.1
  Top w0.152: v1(110.8,53.6) 110.8,28.45 93.85,11.5 93.85,7.97 J13.31 ; U1.37 193.6,70.64 193.6,86.6 195.1,88.1 v1(195.1,112.29)
  Bottom w0.152: 204.21,113.58 203.04,113.58 201.75,112.29 v1(195.1,112.29) 185.25,112.29 183.96,113.58 U3.27 170.07,113.58 168.79,112.3 163.9,112.3 162.62,113.58 U6.27 148.75,113.58 147.49,112.32 142.52,112.32 141.26,113.58 U5.27 ; U11.55 99.42,53.6 v1(110.8,53.6) 120.46,53.6 125.54,58.68 181.8,58.68 U1.37
A10: length 257.2
  Top w0.152: v1(111.6,54.84) 111.6,27.85 95.13,11.38 J13.34 ; v1(194.3,109.75) 194.3,88.6 191.04,85.34 191.04,70.66 U1.38
  Bottom w0.152: U1.38 180.02,59.44 125.29,59.44 120.68,54.84 v1(111.6,54.84) U11.56 ; 204.21,111.04 203.04,111.04 201.75,109.75 v1(194.3,109.75) 185.25,109.75 183.96,111.04 U3.26 170.07,111.04 168.79,109.76 163.9,109.76 162.62,111.04 U6.26 148.75,111.04 147.49,109.78 142.52,109.78 141.26,111.04 U5.26
A11: length 254.4
  Top w0.152: U1.39 188.5,70.66 188.5,84 193.5,89 v1(193.5,102.13) ; v1(112.4,56.14) 112.4,27.2 96.4,11.2 96.4,7.98 J13.33
  Bottom w0.152: U1.39 178.25,60.21 125.03,60.21 120.97,56.14 v1(112.4,56.14) 99.42,56.14 U11.57 ; 204.21,103.42 203.04,103.42 201.75,102.13 v1(193.5,102.13) 185.25,102.13 183.96,103.42 U3.23 170.07,103.42 168.79,102.14 163.9,102.14 162.62,103.42 U6.23 148.75,103.42 147.49,102.16 142.52,102.16 141.26,103.42 U5.23
A12: length 252.1
  Top w0.152: v1(113.2,57.38) 113.2,26.45 97.67,10.92 J13.36 ; v1(192.7,107.21) 192.7,89.6 185.96,82.86 185.96,70.66 U1.40
  Bottom w0.152: 204.21,108.5 203.04,108.5 201.75,107.21 v1(192.7,107.21) 185.25,107.21 183.96,108.5 U3.25 170.07,108.5 168.79,107.22 163.9,107.22 162.62,108.5 U6.25 148.75,108.5 147.49,107.24 142.52,107.24 141.26,108.5 U5.25 ; U1.40 176.47,60.97 124.78,60.97 121.19,57.38 v1(113.2,57.38) U11.58
A13: length 264.8
  Top w0.152: J13.35 98.95,7.99 98.95,10.8 114,25.85 v1(114,59.92) ; v1(181.2,119.95) 181.2,87.3 183.42,85.08 183.42,70.66 U1.41
  Bottom w0.152: U11.60 v1(114,59.92) 122.72,59.92 124.53,61.73 174.69,61.73 U1.41 ; U5.4 126.25,119.94 141.25,119.94 142.53,118.66 U6.4 147.44,118.66 148.72,119.94 162.57,119.94 163.85,118.66 U3.4 168.81,118.66 170.1,119.95 v1(181.2,119.95) 183.91,119.95 185.21,118.66 U4.4
A14: length 409.2
  Top w0.152: v1(109.12,79.7) 109.12,68.32 v1(102.03,61.22) ; J13.38 100.21,10.51 114.8,25.1 v1(114.8,61.22) ; v1(180.4,116.12) 180.4,86.6 180.88,86.12 180.88,70.66 U1.42
  Bottom w0.152: U5.28 141.26,116.12 142.52,114.86 147.49,114.86 148.75,116.12 U6.28 162.62,116.12 163.9,114.84 168.79,114.84 170.07,116.12 v1(180.4,116.12) U3.28 183.96,116.12 185.25,114.83 201.75,114.83 203.04,116.12 204.21,116.12 ; U2.17 8.95,71.47 7.12,71.47 5.55,73.05 5.55,84.88 10.9,90.22 101.45,90.22 109.12,82.55 v1(109.12,79.7) ; U11.61 99.42,61.22 v1(102.03,61.22) v1(114.8,61.22) 123,61.22 124.27,62.49 172.91,62.49 U1.42
A15: length 415.6
  Top w0.152: U1.43 178.34,70.66 178.34,85.44 179.6,86.7 v1(179.6,118.66) v1(179.6,129.85) ; v1(115.65,63.76) 115.65,24.05 101.5,9.9 101.5,8 J13.37 ; U6.3 145.05,122.45 145.05,128.5 v1(144.22,129.32) ; v1(184.91,121.2) 184.31,120.6 v1(184.31,118.23) ; v1(142.22,121.2) 142.22,118.84 v1(141.66,118.27) ; v1(108.25,80.3) 108.25,68.53 106,66.28 104.7,66.28 102.2,63.78 v1(102.2,63.76)
  Bottom w0.152: v1(184.91,121.2) U4.3 ; U11.63 99.42,63.76 v1(102.2,63.76) v1(115.65,63.76) 120.46,63.76 120.97,63.25 171.13,63.25 U1.43 ; v1(141.66,118.27) 141.26,118.66 U5.29 ; v1(179.6,129.85) 178.9,130.55 145.45,130.55 v1(144.22,129.32) ; v1(179.6,118.66) U3.29 183.88,118.66 v1(184.31,118.23) ; U2.16 6.07,74.33 6.07,84.62 11.23,89.78 101.15,89.78 108.25,82.67 v1(108.25,80.3) ; v1(142.22,121.2) U6.3
A16: length 351.1
  Top w0.152: v1(107.38,79.7) 107.4,79.67 107.4,71.47 102.97,67.05 102.97,65.8 v1(102.17,65) ; U1.44 175.8,70.66 175.8,84 178.8,87 v1(178.8,122.48)
  Bottom w0.152: U2.15 8.93,76.55 7.2,76.55 6.6,77.15 6.6,84.42 11.45,89.28 100.97,89.28 107.38,82.88 v1(107.38,79.7) ; 204.21,123.74 203.06,123.74 201.79,122.48 v1(178.8,122.48) 170.07,122.48 168.79,121.2 U3.3 164.08,121.2 U6.31 148.74,123.74 147.49,122.49 126.25,122.49 U5.3 ; U11.64 v1(102.17,65) 120.24,65 121.22,64.02 169.36,64.02 U1.44
A17: length 330.8
  Top w0.152: v1(102.15,66.3) 102.15,67.5 106.47,71.83 106.47,80.3 v1(106.5,80.33) ; v1(178,125.03) 178,87.8 173.26,83.06 173.26,70.66 U1.45
  Bottom w0.152: U1.45 167.58,64.78 121.6,64.78 120.08,66.3 v1(102.15,66.3) 99.42,66.3 U11.65 ; U5.2 126.25,125.02 141.25,125.02 142.53,123.74 U6.2 147.44,123.74 148.72,125.02 162.57,125.02 163.85,123.74 U3.2 168.81,123.74 170.1,125.03 v1(178,125.03) 183.91,125.03 185.21,123.74 U4.2 ; U2.12 7.67,84.67 11.8,88.8 100.78,88.8 106.5,83.08 v1(106.5,80.33)
A18: length 315.7
  Top w0.152: v1(102.22,68.84) 105.67,72.29 105.67,79.72 v1(105.68,79.72) ; U1.46 170.72,70.66 170.72,81.82 177.2,88.3 v1(177.2,121.2)
  Bottom w0.152: U1.46 165.8,65.54 121.86,65.54 118.56,68.84 v1(102.22,68.84) 99.42,68.84 U11.67 ; 204.21,121.2 203.04,121.2 201.75,119.91 185.25,119.91 183.96,121.2 U3.30 v1(177.2,121.2) 170.07,121.2 168.79,119.92 163.9,119.92 162.62,121.2 U6.30 148.75,121.2 147.49,119.94 142.52,119.94 141.26,121.2 U5.30 ; v1(105.68,79.72) 105.68,83.17 100.47,88.38 15.3,88.38 10.21,83.29 U2.11
A19: length 316.1
  Top w0.152: v1(102.2,70.08) 104.85,72.73 v1(104.85,80.38) ; v1(176.4,127.57) 176.4,89.1 168.18,80.88 168.18,70.66 U1.47
  Bottom w0.152: U5.1 126.28,127.59 141,127.59 142.31,126.28 U6.1 147.44,126.28 148.72,127.56 162.57,127.56 163.85,126.28 U3.1 168.81,126.28 170.1,127.57 v1(176.4,127.57) 183.91,127.57 185.21,126.28 U4.1 ; U2.10 11.48,79.09 11.48,83.42 15.92,87.88 100.2,87.88 103.92,84.15 103.92,81.3 v1(104.85,80.38) ; U1.47 164.07,66.35 122.19,66.35 118.46,70.08 v1(102.2,70.08) U11.68
A20: length 178.4
  Top w0.152: v1(102.17,71.38) 104.05,73.26 v1(104.05,79.8)
  Bottom w0.152: v1(104.05,79.8) 104.05,80.5 97.25,87.3 19.38,87.3 12.75,80.68 U2.9 ; U1.48 162.28,67.1 122.46,67.1 118.18,71.38 v1(102.17,71.38) 99.42,71.38 U11.69
A21: length 168.6
  Top w0.152: v1(102.35,80.5) 102.7,80.15 102.7,73.14 v1(102.17,72.62)
  Bottom w0.152: U1.50 157.85,67.75 122.82,67.75 117.95,72.62 v1(102.17,72.62) U11.70 ; U2.8 14.02,79.08 14.02,80.88 19.88,86.72 96.58,86.72 102.35,80.95 v1(102.35,80.5)
A22: length 159.9
  Top w0.152: v1(101.28,80.5) 101.75,80.03 101.75,76.49 v1(101.78,76.46)
  Bottom w0.152: U1.51 156.11,68.55 123.04,68.55 115.13,76.46 v1(101.78,76.46) 99.42,76.46 U11.73 ; v1(101.28,80.5) 97.8,83.97 19.62,83.97 16.6,80.95 16.6,79.04 U2.6
A23: length 146.9
  Top w0.152: v1(100,80.5) 100.66,79.84 U11.74
  Bottom w0.152: v1(100,80.5) 97.08,83.42 20.58,83.42 17.83,80.68 U2.5 ; U1.52 154.22,69.2 123.41,69.2 114.91,77.7 U11.74
CASA0: length 63.5
  Top w0.152: U7.2 24.79,107.71 46.08,86.42 47.08,86.42 48.55,84.95 48.55,84.45 65.46,67.54 U11.20
CASA1: length 108.4
  Top w0.152: U11.21 71.38,66.2 64.9,66.2 47.6,83.5 46.1,83.5 28.2,101.4 24.6,101.4 20.6,105.4 20.6,116.7 21.8,117.9 21.8,123.47 20.83,124.44 20.83,134.23 24.79,138.19 U8.2
CASB0: length 79.5
  Top w0.152: U11.18 67.52,70.08 62.9,74.7 59.7,74.7 55.65,78.75 55.65,81.12 54.58,82.2 52.42,82.2 47.35,87.28 46.58,87.28 26.1,107.75 26.1,124.32 U9.2
CASB1: length 124
  Top w0.152: U10.2 20.98,155.24 20.98,135.38 20.02,134.43 20.02,124.28 21.02,123.28 21.02,118.04 20,117.02 20,105.17 39.2,85.97 39.2,85.2 40.1,84.3 43.8,84.3 45.7,82.4 47.2,82.4 64.6,65 U11.22
CLK_ALT: length 75.8
  Bottom w0.152: U2.2 24.12,76.6 45.47,76.6 50.12,71.95 50.12,67.7 53.11,64.72 X2.8 65.78,68.8 76.52,68.8 U11.2
CLK_CPU: length 176.9
  Top w0.152: v1(101.6,33.1) 101.6,32.3 82.43,13.13 J13.24
  Bottom w0.152: U1.15 159.06,46.1 146.1,46.1 133.15,33.15 53.71,33.15 38.31,48.55 32.6,48.55 31.85,49.3 31.85,50.4 33.07,51.62 U2.52
CLK_SRC: length 64.7
  Bottom w0.152: U2.83 27.08,81.97 47.22,81.97 48.42,80.78 X1.8 X1.8 62.71,81.7 86.5,81.7 U11.83
D0: length 443.1
  Top w0.152: U14.28 152.4,127.5 v1(152.4,97.2) ; U13.11 135.26,37.76 U1.5 135.26,58.14 123.7,69.7 v1(123.7,76.1) 123.7,79 136,91.3 v1(136,97.08) ; J13.9 65.9,7.96 65.9,13.7 88.2,36 v1(88.2,40) ; U7.3 U9.3
  Bottom w0.152: U5.13 126.25,97.08 v1(136,97.08) 141.25,97.08 142.53,95.8 U6.13 147.43,95.8 148.83,97.2 v1(152.4,97.2) ; U1.5 127.56,40 v1(88.2,40) 66.53,40 40.1,66.42 36.92,66.42 U2.65 ; v1(123.7,76.1) 118.4,76.1 100.5,94 41.17,94 27.33,107.84 U7.3
D1: length 417.8
  Top w0.152: U14.18 129.94,94.6 v1(130,94.54) ; J13.10 64.65,13.95 85.7,35 v1(85.7,40.7) ; U13.12 132.72,37.76 U1.4 132.72,59.53 122.75,69.5 v1(122.75,77.5) 122.75,79.45 135.2,91.9 v1(135.2,94.54) ; U7.6 U9.6
  Bottom w0.152: U7.6 34.95,107.84 47.59,95.2 101.6,95.2 119.3,77.5 v1(122.75,77.5) ; U5.14 126.25,94.54 v1(130,94.54) v1(135.2,94.54) 141.25,94.54 142.53,93.26 U6.14 ; U2.67 36.81,68.85 38.55,68.85 66.7,40.7 v1(85.7,40.7) 125.72,40.7 U1.4
D2: length 416.4
  Top w0.152: U9.10 U7.10 ; v1(151.5,92) 151.5,126.7 141.4,136.8 141.4,138.5 U14.27 ; v1(90.05,41.35) 90.05,34.65 68.45,13.05 68.45,7.97 J13.11 ; U13.13 130.18,37.76 U1.3 130.18,60.87 121.75,69.3 v1(121.75,78.95) 121.75,79.55 133.5,91.3 v1(133.5,92)
  Bottom w0.152: U7.10 45.11,107.84 56.45,96.5 102.5,96.5 120.05,78.95 v1(121.75,78.95) ; U5.15 126.25,92 v1(133.5,92) 141.25,92 142.53,90.72 U6.15 147.43,90.72 148.71,92 v1(151.5,92) ; U1.3 123.83,41.35 v1(90.05,41.35) 67,41.35 38.16,70.19 U2.68
D3: length 409
  Top w0.152: U14.19 131.2,138.54 131.2,90.6 v1(128.8,88.2) v1(120.9,80.3) 120.85,80.25 120.85,69.15 127.64,62.36 U1.2 127.64,37.76 U13.14 ; v1(89.05,42) 89.05,35.4 67.19,13.54 J13.12 ; U9.13 U7.13
  Bottom w0.152: v1(120.9,80.3) 120.8,80.3 103.2,97.9 62.67,97.9 52.73,107.84 U7.13 ; v1(128.8,88.2) 140.19,88.2 U5.17 141.26,88.18 142.52,86.92 147.49,86.92 148.75,88.18 U6.17 ; U2.69 36.87,71.45 41.83,71.45 46.05,67.22 47.5,67.22 48.58,66.15 48.58,60.78 67.35,42 v1(89.05,42) 121.94,42 U1.2
D4: length 398.7
  Top w0.152: v1(129.8,90.7) v1(121.2,82.1) 120,80.9 120,68.8 125.1,63.7 U1.1 125.1,37.76 U13.15 ; U7.16 U9.16 ; v1(150.7,90.72) 150.7,125.8 140.1,136.4 U14.26 ; v1(91.9,42.7) 91.9,33.55 71,12.65 71,7.98 J13.13
  Bottom w0.152: v1(121.2,82.1) 103.9,99.4 69,99.4 60.35,108.05 U7.16 ; U6.18 v1(150.7,90.72) 148.75,90.72 147.49,89.46 142.52,89.46 141.26,90.72 U5.18 140.19,90.7 v1(129.8,90.7) ; U1.1 120.1,42.7 v1(91.9,42.7) 67.75,42.7 55.4,55.05 55.4,57.55 49.28,63.67 49.28,67.95 44.5,72.72 38.16,72.72 U2.70
D5: length 387
  Top w0.152: v1(136.6,46.6) 136.6,59.06 U1.64 125.1,77.96 v1(130.42,83.28) 136.8,89.66 v1(136.8,93.2) ; v1(122.5,39.43) 122.5,39.4 133.92,27.98 U13.16 ; J13.14 69.73,12.78 90.95,34 v1(90.95,39.4) ; v1(132.5,93.2) 132.48,93.22 U14.20 ; U7.20 U9.20
  Bottom w0.152: v1(130.42,83.28) 123.12,83.28 105,101.4 77.1,101.4 70.51,107.99 U7.20 ; U2.64 40.51,65.11 66.22,39.4 v1(90.95,39.4) 122.47,39.4 v1(122.5,39.43) 122.53,39.4 129.4,39.4 v1(136.6,46.6) ; U6.19 148.75,93.26 147.49,92 142.52,92 141.26,93.26 U5.19 140.15,93.2 v1(136.8,93.2) v1(132.5,93.2)
D6: length 389
  Top w0.152: U14.25 138.8,138.56 138.8,136.3 149.9,125.2 v1(149.9,95.8) ; v1(122.5,37.9) 131.38,29.02 U13.17 ; J13.15 73.55,7.99 73.55,11.9 96.1,34.45 v1(96.1,37.9) ; U9.23 U7.23 ; v1(137.6,95.8) 137.6,87.92 v1(133.74,84.06) 127.64,77.96 U1.63 139.1,59.1 v1(139.1,46.6)
  Bottom w0.152: U2.61 36.91,61.32 38.5,61.32 61.92,37.9 v1(96.1,37.9) v1(122.5,37.9) 130.4,37.9 v1(139.1,46.6) ; U7.23 78.13,107.84 80.67,105.3 102.2,105.3 123.44,84.06 v1(133.74,84.06) ; v1(137.6,95.8) U5.20 141.26,95.8 142.52,94.54 147.49,94.54 148.75,95.8 v1(149.9,95.8) U6.20
